# Altium PCB Temp_meter_16CH.PcbDoc (part 4 of 4)
Units mm, origin at the board's own origin, x right, y up, seen from the top; angles counter-clockwise.
Board outline 110 x 150 mm, 2 copper layers (Top Layer, Bottom Layer); 521 components, 394 nets, 1514 pads, 524 vias.
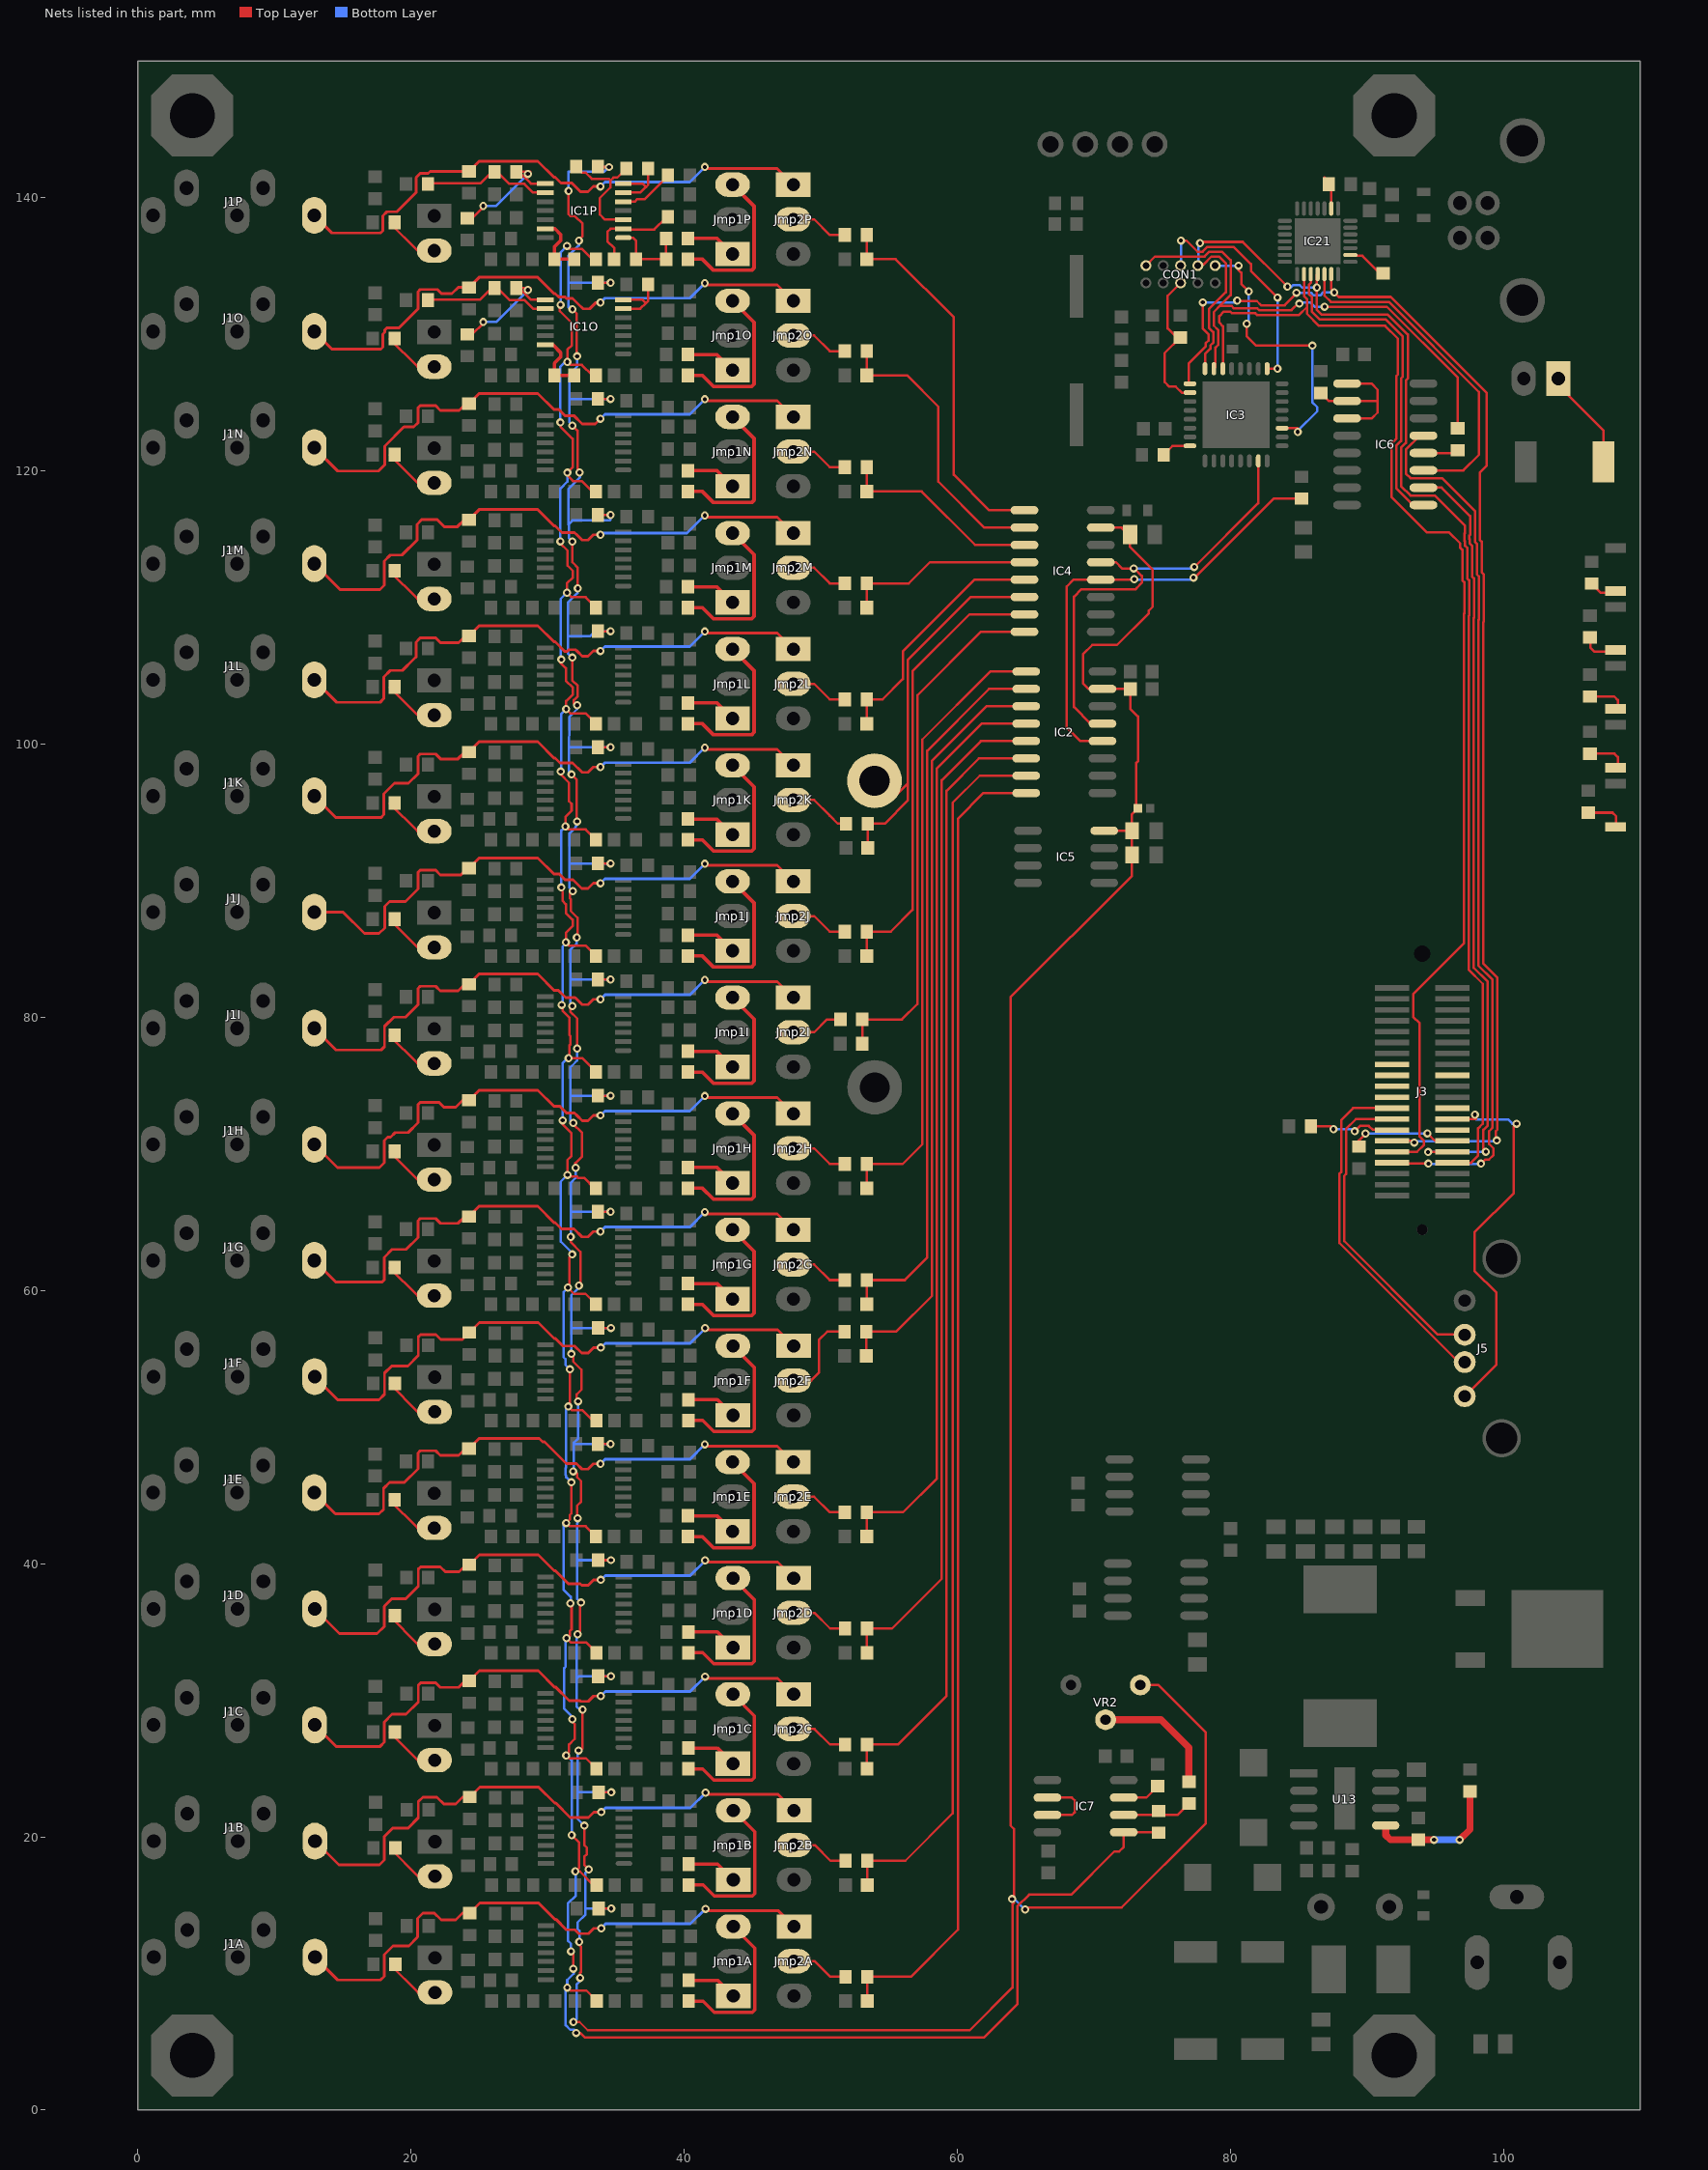
[diagram p4: the nets of this part, all layers, seen from the top]

## Via types
v1: diameter 0.6, hole 0.3, Top Layer to Bottom Layer, tented both sides, 515 vias
v2: diameter 0.8, hole 0.4, Top Layer to Bottom Layer, tented both sides, 9 vias

## Nets (pads, with @x,y where several pads share a name; then routed paths per layer and width w, separated by ;. In a path a pad name is that pad's centre, name@x,y a point inside that pad or via, vN(x,y) a via of type N, cw(c..) or ccw(c..) an arc to the next point about the centre after c; other vN are vias at no path point) (continued)
NetIC1O_6: IC1O.6 IC1O.7 R7O.1 | length 5
  Top Layer w0.178: IC1O.6@35.554,131.855 36.797,131.855 37.213,132.27 ; IC1O.7@35.554,132.515 36.967,132.515 37.213,132.27 ; R7O.1@37.378,133.629 37.378,132.435 37.213,132.27
NetIC1O_8: IC1O.8 R10O.2 R12O.1 | length 9.5
  Top Layer w0.178: R12O.1@24.132,129.984 24.5,129.984 25.3,130.784 v1(25.3,130.886) ; v1(28.577,133.223) 28.729,133.375 R10O.2@27.726,133.375 27.93,133.375 28.789,132.515 IC1O.8@29.839,132.515
  Bottom Layer w0.178: v1(25.3,130.886) 26.24,130.886 v1(28.577,133.223)
NetIC1O_9: IC1O.9 R10O.1 R11O.2 | length 10.3
  Top Layer w0.178: R11O.2@21.249,132.486 21.299,132.537 21.851,132.537 22.912,132.537 ; 22.201,132.537 22.912,132.537 ; IC1O.9@29.839,131.855 28.947,131.855 28.311,132.491 27.214,132.491 26.33,133.375 R10O.1@26.126,133.375 25.922,133.375 25.083,132.537 22.912,132.537
NetIC1O_13: IC1O.13 R15O.1 R16O.2 | length 4.7
  Top Layer w0.254: IC1O.13@29.839,129.213 30.397,129.213 30.96,128.65 30.96,128.32 30.512,127.872 R15O.1@30.512,126.978 R16O.2@31.96,126.978
NetIC1P_1: IC1P.1 R2P.1 R3P.1 R5P.2 | length 6.1
  Top Layer w0.178: IC1P.1@35.554,137.053 36.269,137.053 36.481,136.841 R5P.2@36.481,135.478 R2P.1@38.691,135.478 R3P.1@38.691,137.002
NetIC1P_2: IC1P.2 R1P.2 R5P.1 | length 7
  Top Layer w0.178: R5P.1@34.881,135.478 34.881,136.308 34.393,136.795 34.393,137.481 34.626,137.713 IC1P.2@35.554,137.713 35.616,137.651 37.815,137.651 R1P.2@38.691,138.526
NetIC1P_3: IC1P.3 R7P.2 R8P.1 | length 9.2
  Top Layer w0.178: R8P.1@32.095,142.256 32.534,141.817 32.807,141.817 33.249,141.375 34.479,141.375 34.614,141.24 ; IC1P.3@35.554,138.374 34.215,138.374 33.834,138.755 33.834,139.956 34.614,140.736 34.614,141.24 ; R7P.2@35.778,142.129 35.108,141.46 34.834,141.46 34.614,141.24
NetIC1P_5: IC1P.5 R9P.2 | length 4
  Top Layer w0.178: IC1P.5@35.554,139.695 36.385,139.695 36.578,139.887 37.136,139.887 38.743,141.494 R9P.2@38.826,141.494
NetIC1P_6: IC1P.6 IC1P.7 R7P.1 | length 5
  Top Layer w0.178: IC1P.6@35.554,140.355 36.797,140.355 37.213,140.77 ; IC1P.7@35.554,141.015 36.967,141.015 37.213,140.77 ; R7P.1@37.378,142.129 37.378,140.935 37.213,140.77
NetIC1P_8: IC1P.8 R10P.2 R12P.1 | length 9.5
  Top Layer w0.178: R12P.1@24.132,138.484 24.5,138.484 25.3,139.284 v1(25.3,139.386) ; v1(28.577,141.723) 28.729,141.875 R10P.2@27.726,141.875 27.93,141.875 28.789,141.015 IC1P.8@29.839,141.015
  Bottom Layer w0.178: v1(25.3,139.386) 26.24,139.386 v1(28.577,141.723)
NetIC1P_9: IC1P.9 R10P.1 R11P.2 | length 10.3
  Top Layer w0.178: R11P.2@21.249,140.986 21.299,141.037 22.912,141.037 ; 22.201,141.037 22.912,141.037 ; IC1P.9@29.839,140.355 28.947,140.355 28.311,140.991 27.214,140.991 26.33,141.875 R10P.1@26.126,141.875 25.922,141.875 25.083,141.037 22.912,141.037
NetIC1P_13: IC1P.13 R15P.1 R16P.2 | length 4.7
  Top Layer w0.254: IC1P.13@29.839,137.713 30.547,137.713 30.96,137.3 30.96,136.846 30.512,136.397 R15P.1@30.512,135.478 R16P.2@31.96,135.478
NetIC2_12: IC2.12 IC4.12 R18.1 | length 33.1
  Top Layer w0.178: IC2.12@70.639,100.215 69.01,100.215 68.031,101.194 68.031,111.531 68.526,112.026 IC4.12@70.512,112.026 72.974,112.026 72.954,112.046 v1(72.954,112.055) ; v1@77.5,112.175 77.5,112.292 83.165,117.957 R18.1@85.217,117.957
  Bottom Layer w0.178: v1(72.954,112.055) 72.954,112.046 72.975,112.025 77.15,112.025 v1(77.3,112.175)
NetIC3_8: IC3.8 R17.1 | length 2.2
  Top Layer w0.178: R17.1@75.122,121.17 75.768,121.816 IC3.8@77.043,121.816
NetIC7_2: IC7.2 R36.2 R38.1 | length 5.1
  Top Layer w0.178: IC7.2@72.196,21.608 76.129,21.608 R38.1@76.962,22.441
NetIC7_3: IC7.3 R39.1 | length 2.8
  Top Layer w0.178: IC7.3@72.196,22.878 73.843,22.878 R39.1@74.676,23.711
NetIC7_6: IC7.6 IC7.7 | length 5
  Top Layer w0.178: IC7.7@66.608,21.608 66.616,21.6 68.4,21.6 68.6,21.8 68.6,22.675 68.397,22.878 IC7.6@66.608,22.878
NetIC21_2: IC21.2 R114.2 | length 2.5
  Top Layer w0.178: IC21.2@88.787,135.791 88.853,135.724 89.663,135.724 R114.2@90.805,134.582
NetIC21_9: IC21.9 R35.1 | length 2.5
  Top Layer w0.178: R35.1@86.895,141.452 87.387,140.96 IC21.9@87.387,139.191
NetJ1A_5: J1A.5 Jmp2A.1 R14A.1 | length 42.6
  Top Layer w0.203: J1A.5@12.89,11.192 J1A.5@12.98,11.192 14.647,9.525 17.775,9.525 18.05,9.8 18.05,11.375 18.7,12.025 19.85,12.025 20.5,12.675 20.5,14.033 20.88,14.413 21.717,14.413 22.214,13.916 23.289,13.916 23.786,14.413 R14A.1@24.309,14.413 ; R14A.1@24.271,14.375 R14A.1@24.309,14.413 ; v1(33.935,13.308) 33.403,13.308 33.015,12.921 32.299,12.921 32.015,13.204 31.382,13.204 30.614,13.973 30.532,13.973 29.35,15.155 25.05,15.155 R14A.1@24.309,14.413 ; v1(41.573,14.731) 41.696,14.608 46.881,14.608 Jmp2A.1@48.05,13.439
  Bottom Layer w0.203: v1(33.935,13.308) 34.259,13.632 40.474,13.632 v1(41.573,14.731)
NetJ1B_5: J1B.5 Jmp2B.1 R14B.1 | length 42.6
  Top Layer w0.203: J1B.5@12.89,19.692 J1B.5@12.98,19.692 14.722,17.95 17.7,17.95 18.05,18.3 18.05,20.025 18.675,20.65 19.8,20.65 20.55,21.4 20.55,22.583 20.88,22.913 21.915,22.913 22.423,22.405 23.277,22.405 23.785,22.913 R14B.1@24.309,22.913 ; R14B.1@24.271,22.875 R14B.1@24.309,22.913 ; v1(33.935,21.808) 33.403,21.808 33.015,21.421 31.666,21.421 30.614,22.473 30.532,22.473 29.35,23.655 25.05,23.655 R14B.1@24.309,22.913 ; v1(41.573,23.231) 41.696,23.108 46.881,23.108 Jmp2B.1@48.05,21.939
  Bottom Layer w0.203: v1(33.935,21.808) 34.259,22.132 40.474,22.132 v1(41.573,23.231)
NetJ1C_5: J1C.5 Jmp2C.1 R14C.1 | length 42.2
  Top Layer w0.203: J1C.5@12.865,28.192 J1C.5@12.955,28.192 14.522,26.625 17.75,26.625 18.05,26.925 18.05,28.4 18.625,28.975 19.65,28.975 20.544,29.869 20.544,31.102 20.708,31.266 21.839,31.266 22.165,30.94 23.505,30.94 23.978,31.413 R14C.1@24.284,31.413 ; R14C.1@24.246,31.375 R14C.1@24.284,31.413 ; v1(33.91,30.308) 33.378,30.308 32.99,29.921 32.449,29.921 32.39,29.979 31.582,29.979 30.589,30.973 30.507,30.973 29.325,32.155 25.025,32.155 R14C.1@24.284,31.413 ; v1(41.548,31.731) 41.671,31.608 46.856,31.608 Jmp2C.1@48.025,30.439
  Bottom Layer w0.203: v1(33.91,30.308) 34.234,30.632 40.449,30.632 v1(41.548,31.731)
NetJ1D_5: J1D.5 Jmp2D.1 R14D.1 | length 42.5
  Top Layer w0.203: J1D.5@12.865,36.692 J1D.5@12.955,36.692 14.772,34.875 17.525,34.875 18.05,35.4 18.05,36.875 18.6,37.425 19.625,37.425 20.544,38.344 20.544,39.602 20.708,39.766 22.163,39.766 22.523,39.405 23.541,39.405 24.049,39.913 R14D.1@24.284,39.913 ; R14D.1@24.246,39.875 R14D.1@24.284,39.913 ; v1(33.91,38.808) 33.378,38.808 32.99,38.421 32.524,38.421 32.415,38.529 31.532,38.529 30.589,39.473 30.507,39.473 29.325,40.655 25.025,40.655 R14D.1@24.284,39.913 ; v1(41.548,40.231) 41.671,40.108 46.856,40.108 Jmp2D.1@48.025,38.939
  Bottom Layer w0.203: v1(33.91,38.808) 34.234,39.132 40.449,39.132 v1(41.548,40.231)
NetJ1E_5: J1E.5 Jmp2E.1 R14E.1 | length 42.2
  Top Layer w0.203: J1E.5@12.84,45.192 J1E.5@12.93,45.192 14.472,43.65 17.675,43.65 18,43.975 18,45.5 18.45,45.95 19.525,45.95 20.519,46.944 20.519,48.102 20.683,48.266 21.814,48.266 22.163,47.917 23.491,47.917 23.987,48.413 R14E.1@24.259,48.413 ; R14E.1@24.221,48.375 R14E.1@24.259,48.413 ; v1(33.885,47.308) 33.353,47.308 32.965,46.921 32.528,46.921 32.117,47.332 31.368,47.332 29.789,48.911 29.645,48.911 29.402,49.155 29.3,49.155 25,49.155 R14E.1@24.259,48.413 ; v1(41.523,48.731) 41.646,48.608 46.831,48.608 Jmp2E.1@48,47.439
  Bottom Layer w0.203: v1(33.885,47.308) 34.209,47.632 40.424,47.632 v1(41.523,48.731)
NetJ1F_5: J1F.5 Jmp2F.1 R14F.1 | length 42.5
  Top Layer w0.203: J1F.5@12.865,53.692 J1F.5@12.955,53.692 14.647,52 17.675,52 18.075,52.4 18.075,53.95 18.6,54.475 19.775,54.475 20.544,55.244 20.544,56.602 20.708,56.766 21.839,56.766 22.2,56.405 23.776,56.405 R14F.1@24.284,56.913 ; R14F.1@24.246,56.875 R14F.1@24.284,56.913 ; v1(33.91,55.808) 33.378,55.808 32.99,55.421 32.499,55.421 31.99,55.929 31.132,55.929 30.589,56.473 30.507,56.473 29.325,57.655 25.025,57.655 R14F.1@24.284,56.913 ; v1(41.548,57.231) 41.671,57.108 46.856,57.108 Jmp2F.1@48.025,55.939
  Bottom Layer w0.203: v1(33.91,55.808) 34.234,56.132 40.449,56.132 v1(41.548,57.231)
NetJ1G_5: J1G.5 Jmp2G.1 R14G.1 | length 42.4
  Top Layer w0.203: J1G.5@12.84,62.192 J1G.5@12.93,62.192 14.497,60.625 17.9,60.625 18.05,60.775 18.05,62.425 18.625,63 19.65,63 20.519,63.869 20.519,65.102 20.683,65.266 21.814,65.266 22.175,64.905 23.45,64.905 23.958,65.413 R14G.1@24.259,65.413 ; R14G.1@24.221,65.375 R14G.1@24.259,65.413 ; v1(33.885,64.308) 33.353,64.308 32.965,63.921 32.524,63.921 31.94,64.504 31.032,64.504 30.564,64.973 30.482,64.973 29.3,66.155 25,66.155 R14G.1@24.259,65.413 ; v1(41.523,65.731) 41.646,65.608 46.831,65.608 Jmp2G.1@48,64.439
  Bottom Layer w0.203: v1(33.885,64.308) 34.209,64.632 40.424,64.632 v1(41.523,65.731)
NetJ1H_5: J1H.5 Jmp2H.1 R14H.1 | length 42.5
  Top Layer w0.203: J1H.5@12.84,70.692 J1H.5@12.93,70.692 14.622,69 17.7,69 18.05,69.35 18.05,70.975 18.3,71.225 18.525,71.225 18.85,71.55 19.8,71.55 20.519,72.269 20.519,73.602 20.683,73.766 22.063,73.766 22.423,73.405 23.277,73.405 23.785,73.913 R14H.1@24.259,73.913 ; R14H.1@24.221,73.875 R14H.1@24.259,73.913 ; v1(33.885,72.808) 33.353,72.808 32.965,72.421 32.54,72.421 32.172,72.789 31.978,72.983 31.395,72.983 30.905,73.473 30.482,73.473 29.3,74.655 25,74.655 R14H.1@24.259,73.913 ; v1(41.523,74.231) 41.646,74.108 46.831,74.108 Jmp2H.1@48,72.939
  Bottom Layer w0.203: v1(33.885,72.808) 34.209,73.132 40.424,73.132 v1(41.523,74.231)
NetJ1I_5: J1I.5 Jmp2I.1 R14I.1 | length 42.2
  Top Layer w0.203: J1I.5@12.84,79.192 J1I.5@12.93,79.192 14.522,77.6 17.825,77.6 18.075,77.85 18.075,79.325 18.75,80 19.6,80 20.519,80.919 20.519,82.102 20.683,82.266 21.814,82.266 22.161,81.919 23.466,81.919 23.96,82.413 R14I.1@24.259,82.413 ; R14I.1@24.221,82.375 R14I.1@24.259,82.413 ; v1(33.885,81.308) 33.353,81.308 32.965,80.921 32.541,80.921 32.172,81.289 32.028,81.433 31.336,81.433 30.797,81.973 30.482,81.973 29.3,83.155 29.051,83.155 25,83.155 R14I.1@24.259,82.413 ; v1(41.523,82.731) 41.646,82.608 46.831,82.608 Jmp2I.1@48,81.439
  Bottom Layer w0.203: v1(33.885,81.308) 34.209,81.632 40.424,81.632 v1(41.523,82.731)
NetJ1J_5: J1J.5 Jmp2J.1 R14J.1 | length 42.3
  Top Layer w0.203: J1J.5@12.84,87.692 J1J.5@12.93,87.692 15.033,87.692 16.595,86.13 17.675,86.13 18.078,86.533 18.078,86.993 ; 18.08,86.991 18.078,86.993 ; R14J.1@24.221,90.875 R14J.1@24.259,90.913 ; v1(33.885,89.808) 33.353,89.808 32.965,89.421 32.499,89.421 31.865,90.054 31.29,90.054 30.872,90.473 30.482,90.473 29.3,91.655 25,91.655 R14J.1@24.259,90.913 ; v1(41.523,91.231) 41.646,91.108 46.831,91.108 Jmp2J.1@48,89.939 ; 18.078,86.993 18.078,88.103 18.45,88.475 19.6,88.475 20.519,89.394 20.519,90.602 20.683,90.766 21.814,90.766 22.16,90.419 23.659,90.419 24.152,90.913 R14J.1@24.259,90.913
  Bottom Layer w0.203: v1(33.885,89.808) 34.209,90.132 40.424,90.132 v1(41.523,91.231)
NetJ1K_5: J1K.5 Jmp2K.1 R14K.1 | length 42.3
  Top Layer w0.203: J1K.5@12.84,96.192 J1K.5@12.93,96.192 14.497,94.625 17.825,94.625 18.025,94.825 18.025,96.35 18.8,97.125 19.825,97.125 20.519,97.819 20.519,99.102 20.683,99.266 21.814,99.266 22.175,98.905 23.441,98.905 23.949,99.413 R14K.1@24.259,99.413 ; R14K.1@24.221,99.375 R14K.1@24.259,99.413 ; v1(33.885,98.308) 33.353,98.308 32.965,97.921 32.541,97.921 31.841,98.621 30.915,98.621 30.564,98.973 30.482,98.973 29.3,100.155 25,100.155 R14K.1@24.259,99.413 ; v1(41.523,99.731) 41.646,99.608 46.831,99.608 Jmp2K.1@48,98.439
  Bottom Layer w0.203: v1(33.885,98.308) 34.209,98.632 40.424,98.632 v1(41.523,99.731)
NetJ1L_5: J1L.5 Jmp2L.1 R14L.1 | length 42.4
  Top Layer w0.203: J1L.5@12.84,104.692 J1L.5@12.93,104.692 14.572,103.05 17.75,103.05 18.025,103.325 18.025,104.9 18.5,105.375 19.375,105.375 20.207,106.207 20.214,106.207 20.378,106.37 20.378,107.453 20.519,107.594 20.519,107.602 20.683,107.766 21.814,107.766 22.175,107.405 23.491,107.405 23.999,107.913 R14L.1@24.259,107.913 ; R14L.1@24.221,107.875 R14L.1@24.259,107.913 ; v1(33.885,106.808) 33.353,106.808 32.965,106.421 32.542,106.421 32.172,106.79 32.06,106.903 31.58,106.903 31.456,106.779 31.257,106.779 30.564,107.473 30.482,107.473 29.3,108.655 25,108.655 R14L.1@24.259,107.913 ; v1(41.523,108.231) 41.646,108.108 46.831,108.108 Jmp2L.1@48,106.939
  Bottom Layer w0.203: v1(33.885,106.808) 34.209,107.132 40.424,107.132 v1(41.523,108.231)
NetJ1M_5: J1M.5 Jmp2M.1 R14M.1 | length 42.8
  Top Layer w0.203: J1M.5@12.84,113.192 J1M.5@12.93,113.192 14.822,111.3 17.725,111.3 18.05,111.625 18.05,113.375 18.5,113.825 19.35,113.825 20.45,114.925 20.45,116.075 20.788,116.413 21.924,116.413 22.432,115.905 23.405,115.905 23.913,116.413 R14M.1@24.259,116.413 ; R14M.1@24.221,116.375 R14M.1@24.259,116.413 ; v1(33.885,115.308) 33.353,115.308 32.965,114.921 32.542,114.921 32.172,115.291 31.987,115.476 31.06,115.476 30.564,115.973 30.482,115.973 29.3,117.155 25,117.155 R14M.1@24.259,116.413 ; v1(41.523,116.731) 41.646,116.608 46.831,116.608 Jmp2M.1@48,115.439
  Bottom Layer w0.203: v1(33.885,115.308) 34.003,115.426 40.218,115.426 v1(41.523,116.731)
NetJ1N_5: J1N.5 Jmp2N.1 R14N.1 | length 42.2
  Top Layer w0.203: J1N.5@12.84,121.692 J1N.5@12.93,121.692 14.647,119.975 17.625,119.975 18.08,120.43 18.08,120.991 18.078,120.993 18.078,121.794 19.491,123.207 20.214,123.207 20.519,123.512 20.519,124.106 20.519,124.602 20.683,124.766 21.814,124.766 22.159,124.421 23.543,124.421 24.035,124.913 R14N.1@24.259,124.913 ; R14N.1@24.221,124.875 R14N.1@24.259,124.913 ; v1(33.885,123.808) 33.497,123.421 32.543,123.421 31.928,124.035 31.267,124.035 30.829,124.473 30.482,124.473 29.3,125.655 25,125.655 R14N.1@24.259,124.913 ; v1(41.523,125.231) 41.646,125.108 46.831,125.108 Jmp2N.1@48,123.939
  Bottom Layer w0.203: v1(33.885,123.808) 34.209,124.132 40.424,124.132 v1(41.523,125.231)
NetJ1O_5: J1O.5 Jmp2O.1 R14O.1 | length 41.8
  Top Layer w0.203: J1O.5@12.84,130.192 J1O.5@12.93,130.192 14.221,128.901 17.801,128.901 17.938,129.038 17.938,129.988 18.08,130.13 18.08,130.296 18.243,130.459 19.131,130.459 20.519,131.848 20.519,133.102 20.683,133.266 21.937,133.266 22.238,132.965 23.012,132.965 23.46,133.413 R14O.1@24.259,133.413 ; R14O.1@24.221,133.375 R14O.1@24.259,133.413 ; v1(33.885,132.308) 33.548,132.308 33.092,131.852 32.612,131.852 32.272,132.191 31.842,132.621 31.382,132.621 31.273,132.729 30.807,132.729 30.564,132.973 30.482,132.973 29.3,134.155 25,134.155 R14O.1@24.259,133.413 ; v1(41.523,133.731) 41.646,133.608 46.831,133.608 Jmp2O.1@48,132.439
  Bottom Layer w0.203: v1(33.885,132.308) 34.209,132.632 40.424,132.632 v1(41.523,133.731)
NetJ1P_5: J1P.5 Jmp2P.1 R14P.1 | length 41.4
  Top Layer w0.203: J1P.5@12.84,138.692 J1P.5@12.93,138.692 14.221,137.401 17.775,137.401 17.938,137.564 17.938,138.655 18.243,138.959 18.967,138.959 20.378,140.37 20.378,141.461 20.683,141.766 21.253,141.766 21.401,141.913 R14P.1@24.259,141.913 ; R14P.1@24.221,141.875 R14P.1@24.259,141.913 ; v1(33.885,140.808) 33.353,140.808 32.965,140.421 32.424,140.421 31.79,141.054 30.982,141.054 30.564,141.473 30.482,141.473 29.3,142.655 25,142.655 R14P.1@24.259,141.913 ; v1(41.523,142.231) 41.646,142.108 46.831,142.108 Jmp2P.1@48,140.939
  Bottom Layer w0.203: v1(33.885,140.808) 34.209,141.132 40.424,141.132 v1(41.523,142.231)
NetJmp1A_1: Jmp1A.1 R3A.2 | length 3.7
  Top Layer w0.254: R3A.2@40.341,9.502 42.462,9.502 Jmp1A.1@43.605,8.359
NetJmp1A_3: Jmp1A.3 R2A.2 | length 12
  Top Layer w0.254: R2A.2@40.341,7.978 41.396,7.978 42.208,7.165 45.001,7.165 45.179,7.344 45.179,11.864 Jmp1A.3@43.605,13.439
NetJmp1B_1: Jmp1B.1 R3B.2 | length 3.7
  Top Layer w0.254: R3B.2@40.341,18.002 42.462,18.002 Jmp1B.1@43.605,16.859
NetJmp1B_3: Jmp1B.3 R2B.2 | length 12
  Top Layer w0.254: R2B.2@40.341,16.478 41.396,16.478 42.208,15.665 45.001,15.665 45.179,15.844 45.179,20.364 Jmp1B.3@43.605,21.939
NetJmp1C_1: Jmp1C.1 R3C.2 | length 3.7
  Top Layer w0.254: R3C.2@40.316,26.502 42.437,26.502 Jmp1C.1@43.58,25.359
NetJmp1C_3: Jmp1C.3 R2C.2 | length 12
  Top Layer w0.254: R2C.2@40.316,24.978 41.371,24.978 42.183,24.165 44.976,24.165 45.154,24.344 45.154,28.864 Jmp1C.3@43.58,30.439
NetJmp1D_1: Jmp1D.1 R3D.2 | length 3.7
  Top Layer w0.254: R3D.2@40.316,35.002 42.437,35.002 Jmp1D.1@43.58,33.859
NetJmp1D_3: Jmp1D.3 R2D.2 | length 12
  Top Layer w0.254: R2D.2@40.316,33.478 41.371,33.478 42.183,32.665 44.976,32.665 45.154,32.844 45.154,37.364 Jmp1D.3@43.58,38.939
NetJmp1E_1: Jmp1E.1 R3E.2 | length 3.7
  Top Layer w0.254: R3E.2@40.291,43.502 42.412,43.502 Jmp1E.1@43.555,42.359
NetJmp1E_3: Jmp1E.3 R2E.2 | length 12
  Top Layer w0.254: R2E.2@40.291,41.978 41.346,41.978 42.158,41.165 44.951,41.165 45.129,41.344 45.129,45.864 Jmp1E.3@43.555,47.439
NetJmp1F_1: Jmp1F.1 R3F.2 | length 3.7
  Top Layer w0.254: R3F.2@40.316,52.002 42.437,52.002 Jmp1F.1@43.58,50.859
NetJmp1F_3: Jmp1F.3 R2F.2 | length 12
  Top Layer w0.254: R2F.2@40.316,50.478 41.371,50.478 42.183,49.665 44.976,49.665 45.154,49.844 45.154,54.364 Jmp1F.3@43.58,55.939
NetJmp1G_1: Jmp1G.1 R3G.2 | length 3.7
  Top Layer w0.254: R3G.2@40.291,60.502 42.412,60.502 Jmp1G.1@43.555,59.359
NetJmp1G_3: Jmp1G.3 R2G.2 | length 12
  Top Layer w0.254: R2G.2@40.291,58.978 41.346,58.978 42.158,58.165 44.951,58.165 45.129,58.344 45.129,62.864 Jmp1G.3@43.555,64.439
NetJmp1H_1: Jmp1H.1 R3H.2 | length 3.7
  Top Layer w0.254: R3H.2@40.291,69.002 42.412,69.002 Jmp1H.1@43.555,67.859
NetJmp1H_3: Jmp1H.3 R2H.2 | length 12
  Top Layer w0.254: R2H.2@40.291,67.478 41.346,67.478 42.158,66.665 44.951,66.665 45.129,66.844 45.129,71.364 Jmp1H.3@43.555,72.939
NetJmp1I_1: Jmp1I.1 R3I.2 | length 3.7
  Top Layer w0.254: R3I.2@40.291,77.502 42.412,77.502 Jmp1I.1@43.555,76.359
NetJmp1I_3: Jmp1I.3 R2I.2 | length 12
  Top Layer w0.254: R2I.2@40.291,75.978 41.346,75.978 42.158,75.165 44.951,75.165 45.129,75.344 45.129,79.864 Jmp1I.3@43.555,81.439
NetJmp1J_1: Jmp1J.1 R3J.2 | length 3.7
  Top Layer w0.254: R3J.2@40.291,86.002 42.412,86.002 Jmp1J.1@43.555,84.859
NetJmp1J_3: Jmp1J.3 R2J.2 | length 12
  Top Layer w0.254: R2J.2@40.291,84.478 41.346,84.478 42.158,83.665 44.951,83.665 45.129,83.844 45.129,88.364 Jmp1J.3@43.555,89.939
NetJmp1K_1: Jmp1K.1 R3K.2 | length 3.7
  Top Layer w0.254: R3K.2@40.291,94.502 42.412,94.502 Jmp1K.1@43.555,93.359
NetJmp1K_3: Jmp1K.3 R2K.2 | length 12
  Top Layer w0.254: R2K.2@40.291,92.978 41.346,92.978 42.158,92.165 44.951,92.165 45.129,92.344 45.129,96.864 Jmp1K.3@43.555,98.439
NetJmp1L_1: Jmp1L.1 R3L.2 | length 3.7
  Top Layer w0.254: R3L.2@40.291,103.002 42.412,103.002 Jmp1L.1@43.555,101.859
NetJmp1L_3: Jmp1L.3 R2L.2 | length 12
  Top Layer w0.254: R2L.2@40.291,101.478 41.346,101.478 42.158,100.665 44.951,100.665 45.129,100.844 45.129,105.364 Jmp1L.3@43.555,106.939
NetJmp1M_1: Jmp1M.1 R3M.2 | length 3.7
  Top Layer w0.254: R3M.2@40.291,111.502 42.412,111.502 Jmp1M.1@43.555,110.359
NetJmp1M_3: Jmp1M.3 R2M.2 | length 12
  Top Layer w0.254: R2M.2@40.291,109.978 41.346,109.978 42.158,109.165 44.951,109.165 45.129,109.344 45.129,113.864 Jmp1M.3@43.555,115.439
NetJmp1N_1: Jmp1N.1 R3N.2 | length 3.7
  Top Layer w0.254: R3N.2@40.291,120.002 42.412,120.002 Jmp1N.1@43.555,118.859
NetJmp1N_3: Jmp1N.3 R2N.2 | length 12
  Top Layer w0.254: R2N.2@40.291,118.478 41.346,118.478 42.158,117.665 44.951,117.665 45.129,117.844 45.129,122.364 Jmp1N.3@43.555,123.939
NetJmp1O_1: Jmp1O.1 R3O.2 | length 3.7
  Top Layer w0.254: R3O.2@40.291,128.502 42.412,128.502 Jmp1O.1@43.555,127.359
NetJmp1O_3: Jmp1O.3 R2O.2 | length 12
  Top Layer w0.254: R2O.2@40.291,126.978 41.346,126.978 42.158,126.165 44.951,126.165 45.129,126.344 45.129,130.864 Jmp1O.3@43.555,132.439
NetJmp1P_1: Jmp1P.1 R3P.2 | length 3.7
  Top Layer w0.254: R3P.2@40.291,137.002 42.412,137.002 Jmp1P.1@43.555,135.859
NetJmp1P_3: Jmp1P.3 R2P.2 | length 12
  Top Layer w0.254: R2P.2@40.291,135.478 41.346,135.478 42.158,134.665 44.951,134.665 45.129,134.844 45.129,139.364 Jmp1P.3@43.555,140.939
NetJmp2A_2: Jmp2A.2 R6A.2 | length 4.2